# KiCad board Rogelio Pineda part 5.x3-AMLDC-2044B.kicad_pcb (continued)
## Routing (per net, layer and track width the routed paths; a pad name or vN(x,y) marks a point on that pad's centre or on a via; arc(x,y) is an arc through that point) (continued)
U4p11: length 51.8
  Top w0.15: UU4.11 268.89,95.97 268.5,94.93 268.18,93.83 268.13,93.35 268.08,91.92 268.19,85.59 268.25,84.45 268.22,83.35 268.27,82.45 268.28,81.59 268.35,80.34 268.62,77.54 268.7,77.25 268.96,75.43 269.1,74.84 269.2,73.97 269.2,73.8 ; 269.2,73.8 UV4.11 ; 269.2,73.8 269.2,72.78 268.82,71.72 268.14,70.15 268.06,69.55 267.99,69.31 268.09,65.24 268.04,62.17 268.04,60.48 268.01,59.06 268.07,58.43 268.15,57.71 267.97,54.99 267.91,53.37 267.74,52.03 267.63,51.39 267.27,49.87 267.08,47.47 UW4.3
U4p13: length 25.9
  Top w0.15: 264.25,97.04 264.12,95.96 264.03,95.45 263.84,95.11 263.5,94.28 263.13,93.11 263.07,88.58 263.06,86.88 263.1,86.31 263.09,84.93 263.24,82.56 263.29,81.58 263.32,81.55 263.28,80.61 263.55,78.64 263.87,76.55 263.95,76.1 264.08,74.82 264.18,74.36 264.26,73.8 ; 264.26,73.8 264.28,73.66 264.12,72.78 ; 264.26,73.8 264.26,72.67 UV4.13
U5p2: length 17
  Top w0.2: UU5.2 300.25,88.08 299.84,87.36 299.37,85.74 299.23,84.73 299.36,82.82 299.37,81.63 300.11,77.18 300.37,75.73 300.7,74.16 300.7,73.55 UV5.15
U5p3: length 23
  Top w0.2: UU5.3 302.96,88 302.56,87.28 302.04,86.32 301.77,85.87 301.5,85.22 301.3,84.7 301.23,83.96 301.53,82.57 302.11,81.69 302.1,81.6 302.46,81.18 302.94,80.85 303.52,80.23 304.74,79.34 305.83,78.75 306.54,78.27 306.59,78.28 307.2,77.94 307.68,77.63 308.21,77.36 308.65,77.07 309.64,76.24 310.27,75.65 312.02,74.22 312.16,74.05 313.01,73.52 313.01,72.79 UV5.10
W0p2: length 4.6
  Top w0.15: 112.42,43.42 112.4,43.43 112.4,43.5 v1(112.39,43.52) 112.4,43.53 112.4,46.25 112.42,46.87 UW0.2
W1p13: length 15.9
  Top w0.15: 149.45,44.45 v1(149.41,44.51) 153.17,44.67 154.31,44.85 154.39,44.85 154.91,45.32 155.51,46.03 155.63,46.45 155.79,47.76 155.7,50.69 155.75,55.25
W2p9: length 16.5
  Top w0.15: UW2.3 194.03,48.64 194.51,49.33 195.1,49.8 195.69,50.1 198.84,50.67 199.35,50.65 200.27,50.78 200.93,50.88 202.24,50.98 203.72,51.31 204.25,51.61 205.06,52.15 205.45,52.68 206.06,53.69 206.27,54.09 206.36,55.15 UW2.9
W2p10: length 16.4
  Top w0.15: UW2.2 191.42,48.66 192.12,49.85 192.4,50.22 192.97,50.72 194.35,51.19 195.1,51.48 199.1,51.98 200.02,52.2 201.87,52.67 203.51,53.96 203.58,54.91 UW2.10
W4p13: length 7.6
  Top w0.15: UW4.13 UW4.4
WALLOUT: length 237.9
  Top w0.15: UF2.5 198.74,323.19 199.05,322.88 199.73,321.97 200.41,320.99 202.54,318.05 202.54,318 v1(202.57,317.97) 202.54,317.95 202.54,317.84 ; 92.72,308.57 v1(92.69,308.57) 92.72,308.32 91.95,308.15 90.85,307.12 89.72,305.92 89.45,305.4 88.67,304.33 87.13,302.31 86.36,301.37 85.61,300.27 85.08,299.39 84.66,298.71 83.91,297.5 82.95,295.01 82.42,293.94 82.11,293.17 81.53,291.93 80.69,290.78 80.04,289.77 J1.65
  Bottom w0.15: v1(202.57,317.97) 227.51,317.88 249.88,317.77 259.6,317.45 270.36,317.2 281.48,317.27 284.93,317.82 289.02,318.77 290.24,319.06 290.99,319.31 292.02,319.57 292.82,319.77 ; UF2.5 198.64,322.64 196.73,321.72 194.16,321.32 187.1,320.93 179.1,320.58 174.48,320.53 162.54,320.29 158.02,320.57 155.07,320.59 153.15,320.2 151.56,320.12 147.88,320.41 146.54,320.84 144.8,321.23 143.63,321.67 141.82,322.11 140.65,321.94 139.51,321.51 136.62,320.17 134.19,319.23 132.55,319 131.32,318.82 128.88,318.54 128.09,318.41 126.34,318.28 124.71,318.25 111.24,317.93 110.09,317.84 107.25,317.78 104.55,317.42 101.01,316.49 99.11,315.46 98.5,314.76 96.37,311.92 95.59,310.86 95.2,310.25 94.42,309.41 93.98,308.88 93.33,308.57 v1(92.69,308.57)
~{DATA1}: length 330.2
  Top w0.15: 90.69,98.76 90.3,98.39 89.76,97.96 88.52,97.41 85.98,97.26 84.25,97.81 83.05,98.25 80.72,99.41 79.71,100.42 J2.65 ; 86.91,126.61 v1(86.88,126.68) 87.07,126.61 88.41,125.26 88.7,124.85 88.88,124.55 89.89,123.57 90.88,122.04 91.41,119.95 91.34,117.79 91.33,116.71 91.3,116.24 91.12,114.98 91.04,113.84 90.83,112.12 90.81,111.28 90.91,109.7 90.96,107.87 91.06,106.94 91.11,106.08 91.33,104.69 91.69,102.59 91.73,100.07 90.75,98.77 ; UR3.6 241.68,144.52 241.27,145.67 241.15,146.03 240.51,149.19 240.4,150.24 240.28,151.58 240.15,155.47 240.1,156.83 240.37,158.94 240.75,160.46 UP3.6 241.62,163.09 241.07,164.08 240.54,165.87 240.28,166.9 240.11,169.46 240.19,169.88 240.25,179.62 240.29,181.34 240.21,183.72 239.92,184.56 239.75,185.52 239.45,186.31 UN3.5 239.36,189.14 239.61,189.93 239.91,190.79 240.27,191.71 240.34,191.95 240.25,193 240.21,194.99 240.28,196.89 240.28,196.53 240.26,200.96 240.89,202.81 UM3.6 241.52,205.15 240.88,205.59 240.37,207.35 240.34,207.38 240.27,210.1 240.18,211.15 240.28,212.81 240.22,214.39 240.21,217.42 240.97,219.39 UL3.6
  Bottom w0.15: UN3.5 238.68,189.23 236.92,190.41 232.98,190.55 231.67,190.5 230.45,190.38 226.81,189.86 224.96,189.15 221.04,186.95 219.38,185.97 217.87,185.13 213.4,182.53 211.49,182.12 210.55,182.06 206.4,181.86 202.19,181.8 189.05,181.5 187.18,181.52 182.51,181.06 179.17,180.55 172.87,179.66 167.85,178.98 164.8,178.95 164.01,178.9 161.71,178.84 158.36,178.92 151.87,179.63 143.78,180.03 134.26,180.68 126.55,181.09 124.84,181.21 114.29,181.18 113.36,181.03 112.06,180.89 108.76,180.68 107.52,180.59 105.96,180.45 103.73,180.27 102.26,180.12 97.82,179.79 94.3,179.56 92.16,179.29 91.25,178.83 90.47,178.23 90.03,177.82 89.48,177.11 89.1,176.45 88.78,175.73 88.6,175.17 88.5,173.33 88.54,172.36 88.65,158.82 88.69,145.82 88.91,141.34 88.92,138.78 88.67,131.72 87.47,126.68 v1(86.88,126.68)
~{DATA3}: length 333.4
  Top w0.15: UL3.3 233.97,220.85 233.54,219.69 233.2,218.98 232.82,217.59 232.75,216.83 232.76,213.63 ; 100.09,185.29 v1(100.02,185.29) 99.65,184.79 99.51,184.62 99.24,184.31 99.1,183.9 99.24,182.48 99.34,182.16 99.5,181.39 99.74,180.12 99.78,179.8 99.91,179.02 100.11,177.96 100.16,177.24 100.16,174.87 100.18,174.41 100.13,173.67 99.95,171.87 99.87,171.24 99.65,169.96 99.6,169.76 99.39,169.11 99.25,167.71 99.19,167.48 99.04,166.86 98.88,163.52 98.93,162.76 99.16,160.87 99.17,160.04 99.29,159.09 99.51,154.47 99.46,153.71 99.47,153.11 99.65,144.56 99.63,144.35 99.54,140.29 99.59,134.8 99.55,133.73 99.49,130.14 99.45,129.76 99.51,128 99.11,125.87 98.96,124.68 98.58,122.5 98.48,120.36 98.48,120.06 98.4,119.46 98.41,119 98.5,117.11 98.71,116.19 99.16,114.8 99.49,113.65 100.07,111.96 100.52,110.27 100.91,108.98 101.22,107.83 101.39,105.54 101.33,104.18 101.01,101.24 100.78,100.14 100.63,99.1 100.4,98.1 100.28,97.17 100.27,95.98 100.29,93.38 100.31,92.39 100.04,91.1 99.07,89.46 97.13,88.9 95.32,88.57 91.76,88.15 89.33,87.96 83.83,87.78 81.4,87.68 J2.73 ; UR3.3 233.67,146.38 233.55,146.63 233.05,148.39 232.86,149.29 232.79,150.39 232.76,151.76 232.82,154.24 232.79,155.35 232.99,159.1 233.9,161.42 UP3.3 233.49,163.89 232.75,165.48 232.64,167.88 232.73,168.88 232.74,169.93 232.73,170.35 232.73,176.58 232.7,176.61 232.77,187.23 232.86,189.67 232.93,191.14 232.98,192.26 232.19,194.78 UN3.13 231.53,195.4 231.82,197.22 232.05,198.01 232.82,200.04 233.21,201.07 233.94,203.4 233.9,203.44 UM3.3 233.77,205.61 233.43,205.94 233.04,207.02 232.76,208.37 232.76,213.78
  Bottom w0.15: UN3.13 231.4,194.66 230.49,193.71 228.29,193.38 226.71,193.32 224.3,192.86 221.72,191.87 219.42,190.45 214.88,187.12 213.46,186.39 209.89,185.37 204.5,185.27 202.87,185.26 201.78,185.26 193.86,185.26 193.81,185.21 185.11,185.21 182.56,184.97 178.48,184.5 172.17,183.27 168.32,182.69 165.82,182.45 163.99,182.31 155.59,182.78 153.99,182.93 151.21,183.25 149.64,183.44 145.23,183.8 139.97,184.27 136.03,184.62 134.34,184.75 129.3,185.01 128.23,185.05 127.22,185.05 115.46,185.25 114.16,185.24 109.51,185.36 107.5,185.36 106.39,185.3 106.13,185.3 105.02,185.27 102.32,185.3 100.86,185.42 v1(100.02,185.29)
~{DATA4}: length 10
  Top w0.15: 85.87,105.83 85.89,105.85 v1(85.78,105.85) 85.78,105.74 85.63,105.59 84.63,105.44 83.51,105.36 83.16,105.31 82.62,105.38 81.27,105.52 79.92,106.77 J2.61
~{DATA5}: length 6.8
  Top w0.15: J2.57 80.66,113.28 81.65,113.28 82.29,112.96 v1(83.15,112.5) 83.16,112.46
~{DATA6}: length 49.9
  Top w0.15: 102.64,78.48 102.66,78.5 v1(102.57,78.5) 102.57,78.41 102.33,78.17 102.25,75.22 102.27,74.53 102.37,72.56 102.51,72.03 102.93,70.95 103.88,68.17 104.25,63.42 104.24,57.82 103.96,57.19 103.43,56.96 102.17,56.08 99.33,55.96 98.37,55.91 94.48,55.64 93.69,55.55 93.38,55.58 91.8,55.44 90.26,55.38 87.57,55.02 86.91,54.8 85.12,54.23 83.02,53.66 82.44,53.53 81.53,53.2 J2.95
~{DATA7}: length 6.3
  Top w0.15: 82.68,115.38 82.67,115.38 v1(82.65,115.4) 82.63,115.38 81.33,115.69 80.86,115.79 80.36,116.29 J2.55
~{DATA9}: length 13.8
  Top w0.15: 89.17,102.06 89.21,102.1 v1(89.06,102.1) 89.06,101.95 89.07,101.96 84.91,101.96 84.26,102.1 82.15,102.14 80.75,102.54 80.64,103.59 J2.63
~{DATA10}: length 10.7
  Top w0.15: J2.75 80.9,84.67 81.5,84.75 84.79,84.87 84.99,84.92 85.14,84.93 v1(87.2,84.91) 87.21,84.93 87.24,84.95
~{DATA12}: length 197.4
  Top w0.15: J2.59 80.12,109.94 81.4,108.83 83.19,108.63 84.06,108.76 84.6,109.06 85.22,109.51 85.67,109.99 85.93,110.37 86.44,111.77 86.82,115.62 86.77,116.13 86.7,116.77 86.62,117.93 86.32,118.93 86.08,119.24 85.81,119.88 85.27,120.51 85.18,120.63 v1(84.43,121.29) 84.43,121.38 84.5,121.31
  Top w0.25: UR0.8 124.63,156.72 124.38,159.8 124.38,166.53 UP0.8 124.6,178.38 124.28,181.5 124.31,192.63 UN0.9 123,197.09 124.6,198.47 125.85,199.45 127.96,201.05 129.28,202.94 129.34,205.97 129.3,209.17 129.61,210.47 129.93,211.19 UM0.8 130.06,214.74 129.38,217.05 129.44,223.85 129.41,226.03 UL0.8
  Bottom w0.15: v1(84.43,121.29) 85.44,121.29 86.62,122.07 87.76,123.58 88.07,124.11 88.64,125.33 89.61,129.06 89.91,130.16 90.89,132.31 92.28,134.46 93.05,135.63 94.26,137.21 94.92,138.16 95.97,139.38 99.01,142.95 100.25,144.42 101.61,146.05 103.31,149.87 103.95,151.31 105.46,154.18 106.3,155.05 106.91,155.44 107.59,155.81 109.05,156.12 111.77,156.18 119.07,155.89 121.2,155.87 123.37,155.44 124.67,154.54 125.48,153.5 UR0.8 ; UP1.11 155.39,168.9 154.78,168.5 154.08,168.05 148.26,168.15 147.17,168.25 144.83,168.52 142.85,169.43 140.7,170.15 140.12,170.33 138.96,170.32 135.89,170.4 134.25,170.37 132.65,170.34 128.48,170.3 126.39,170.33 UP0.8
~{DATA14}: length 161.4
  Top w0.25: UL0.11 122.33,226.39 122.01,224.6 121.78,222.58 121.88,216.23 122.35,214.94 122.65,213.55 122.84,213.36 UM0.11 122.18,210.61 121.91,210.04 121.68,209.66 121.72,203.05 121.71,203.04 121.11,201.12 118.05,196.79 UN0.11 117.35,193.48 116.83,191.72 116.68,189.05 116.79,179.98 116.85,179.92 116.95,174.37 118,170.86 UP0.11 116.88,167.7 116.9,157.87 117.03,157.32 117.2,155.72 117.9,153.96 UR0.11
  Bottom w0.15: UP0.11 118.4,169.26 119.27,168.53 120.9,168.04 123,167.76 126.45,167.11 ; UR0.11 117.51,153.95 115.85,154.95 115.08,155.04 113.41,155.06 110.83,155.06 108.93,154.57 107.5,153.98 105.55,150.97 103.99,147.89 102.89,146.13 101.87,144.39 98.75,140.74 95,136.24 93.62,134.37 91.61,131.46 90.78,129.17 90.22,126.6 89.76,125.38 89.45,124.26 87.93,121.85 86.35,120.18 84.75,119.48 83.75,119.03 82.7,118.41 80.48,116.29 J2.56 ; 126.45,167.11 126.71,167.11 126.74,167.14 ; 126.45,167.11 131.08,167.11 132.33,167.2 133.37,167.23 JP7.1
~{DCHA}: length 159.7
  Top w0.25: v2(86.53,381.6) 92.23,381.6 v2(92.28,381.55) 92.33,381.5
  Bottom w0.15: v2(92.28,381.55) 93.81,382.12 96.27,383.14 99.15,384.29 101.21,385.32 101.61,385.75 102.13,386.46 102.65,388.12 102.9,389.33 103.07,392.6 103.96,393.51 126.81,393.55 128.69,394.65 R38.1 130.9,396.05 134.04,396.43 136.87,396.91 138.03,397.28 139.3,397.54 142.35,398.19 144.65,398.14 145.86,397.34 147.15,396.25 UB1.1 ; J1.60 81.24,300.11 82.8,301.01 84.01,302.04 85.26,304.44 86.27,307.69 86.44,311.75 86.64,316.48 86.85,317.86 87.35,320.56 87.6,321.66 87.97,324.27 87.96,325.45 88.01,326.09 88.05,341.69 87.05,379.92 86.82,381.31 v2(86.53,381.6)
~{DCHM0}: length 210
  Top w0.15: v1(96.29,301.22) 96.98,299.59 97.55,298.53 98.26,295.47 98.33,294.88 98.53,293.13 98.62,292.19 98.43,290.72 98,288.51 97.8,287.72 97.63,285.49 97.64,284.41 97.61,280.23 97.6,278.45 97.63,276.79 97.63,276.33 97.55,272.46 97.26,270.43 97.01,268.76 96.81,268 96.73,265.78 96.78,264.57 97.26,263.47 97.78,262.08 98.4,260.73 99.18,258.88 99.36,258.06 99.9,256.63 100.26,255.08 100.55,254.08 100.72,252.25 100.8,251.17 100.71,248.57 100.68,247.08 100.38,244.27 100.12,242.41 99.8,238.91 99.67,237.94 99.02,233.34 98.43,230.08 98.03,227.32 97.71,225.95 97.54,224.4 96.7,220.64 96.39,217.41 96.33,216.23 96.52,215.58 96.72,213.79 97.21,210.58 97.37,208.85 97.49,208.2 97.66,206.9 97.8,203.76 97.95,202.71 97.85,199.69 97.75,198.64 97.47,196.86 96.9,195.31 96.52,194.32 94.94,190.64 94.27,189.14 94.04,188.32 93.78,187.71 93.11,185.9 93,183.49 93.1,183.15 93.27,182.64 93.47,180.41 93.44,179.67 93.33,179.22 93.03,178.49 92.38,177.87 91.27,177.18 89.41,176.87 88.81,176.74 87.62,176.63 82.11,176.84 81.83,176.87 81.29,176.84 J2.17
  Bottom w0.15: v1(96.29,301.22) 97.1,301.22 97.89,301.3 102.58,301.53 104.6,301.65 105.78,301.63 106.43,301.74 110.65,301.74 111.57,301.78 137.91,301.85 142.42,301.24 143.65,301.04 144.74,300.81 145.33,300.74 149.2,300.66 150.89,301.63 C62.1 153.17,303.66 154.37,304.32 155.04,304.44 158.83,304.63 159.81,304.91 160.63,306.16 UG1.6
~{DCHP IN}: length 136
  Bottom w0.15: J1.94 80.32,245.32 80.84,245.64 81.37,246.19 81.71,246.84 82.01,247.28 82.24,249.12 82.33,257.58 82.29,258.56 82.26,261.1 82.6,263.02 83.6,264.45 84.7,265.58 85.94,266.69 88.44,268.62 91.05,271.23 91.28,271.56 91.88,272.83 92.11,275.59 91.28,278.54 90.83,280.71 90.51,282.35 90.34,282.96 90.24,284.54 90.46,285.62 90.71,286.85 91.04,287.84 91.87,290.45 92.01,291.94 92.05,293.21 92.04,293.81 92.09,294.5 91.76,296.94 90.84,299.91 90.93,302.2 91.35,304.59 91.44,305.79 91.35,308.02 91.05,309.81 91.04,310.74 91.32,311.41 91.82,312.41 94.66,314.91 95.99,316.02 97.27,316.99 98.61,317.74 101.13,318.91 106.28,319.84 111,320.06 117.32,320.13 127.55,320.43 133.9,321 138.1,323.06 140.1,323.85 142.57,324.05 143.82,324.01 144.42,324 145.24,324 UF1.1
~{DCHP OUT}: length 156.7
  Top w0.15: J1.93 76.09,245.66 80.27,245.66 81.37,246.24 81.86,246.57 82.8,246.86 83.82,247.19 v1(83.82,247.24) 83.87,247.24 83.92,247.29
  Bottom w0.15: v1(83.82,247.24) 84.31,248.69 84.41,250.58 84.11,251.85 83.33,255.43 83.49,257.32 83.52,262.63 83.9,263.51 84.47,264.3 85.14,264.67 86.67,265.13 89.95,265.83 91.71,266.4 92.85,267.14 94.07,268.81 94.52,270.85 94.6,271.8 94.62,274.32 93.57,276.91 92.39,279.56 91.46,281.55 91.39,284.02 91.31,285.78 91.68,287 92,287.83 92.38,289.06 92.49,289.47 92.68,290.09 92.83,290.8 93.02,295.11 92.7,296.36 92.51,297.4 92.07,299.18 91.84,300.29 91.9,302.41 93.04,303.9 94.24,305.1 97.01,307.45 99.31,308.64 101.43,309.8 R74.1 106.68,311.29 108.49,311.42 109.25,311.41 111.05,311.51 111.67,311.45 115.44,311.31 116.46,311.26 118.68,311.23 125.82,311.24 128.48,311.5 133.42,312.32 135.31,312.63 139.02,312.99 141.73,313.05 158.27,313.27 160.34,313.28 161.58,313.52 162.95,314.18 UG1.8 164.35,315.12 164.72,315.26 165.21,315.47 165.57,315.63 166.19,315.85 171.21,316.11 R5.2
~{DCHR}: length 234.4
  Top w0.15: J2.35 76.63,148.28 84.61,148.16 88.84,148.45 89.86,148.65 93.41,148.87 94.81,149.22 95.98,149.6 96.49,150.49 96.55,150.71 96.73,151.61 96.67,153.37 96.56,153.94 96.55,156.38 96.35,157.69 96.23,161.14 96.04,161.83 95.8,166.24 95.93,167.1 96.22,169.15 96.49,170.27 96.63,171.23 97.2,174 97.2,177.56 96.62,179.82 96.11,182.33 95.85,183.26 95.74,184.1 96.22,186.59 96.86,187.76 97.29,188.96 97.95,190.31 98.59,191.72 99.55,193.78 100.06,194.94 100.32,195.73 100.68,197.31 100.88,199.06 100.63,204.98 100.48,206.4 99.97,210.19 99.72,212.31 99.5,215.31 99.35,216.74 99.36,217.27 99.37,217.74 99.5,219.3 99.72,219.89 100.1,222.57 100.43,224.08 100.76,226.27 101.08,227.54 101.4,229.7 101.65,230.95 102.18,234.98 102.41,236.66 102.74,239.12 102.92,241.1 103.38,244.27 103.36,245.66 103.56,246.55 103.62,247.41 103.79,255.15 103.69,255.25 103.69,257.65 103.69,258.11 103.59,259.75 103.6,260.27 103.43,261.11 103.18,261.84 102.83,262.84 102.36,263.97 101.68,265.1 101.56,265.27 101.12,266.27 100.83,266.73 99.88,268.98 99.66,271.64 99.6,271.7 99.48,275.25 99.46,276.73 99.42,281.72 99.44,282.89 99.42,285 99.32,285.7 99.52,287.39 99.94,289.83 100.06,290.59 100.34,292.26 100.21,294.53 99.99,295.39 99.83,296.87 99.56,298.69 99.46,299.95 99.21,300.91 98.75,302.14 v1(98.15,303.92)
  Bottom w0.15: v1(98.15,303.92) 98.53,303.54 108.49,303.3 109.72,303.37 113.81,303.3 122.01,303.39 125.29,303.42 128.51,303.93 129.6,304.09 134.7,304.81 137.57,304.93 148.77,304.92 149.65,304.91 151.74,304.96 152.73,305.17 153.25,305.88 153.34,306.47 UG1.3
~{DS0}: length 61.4
  Top w0.25: JP2.2 122.97,299.86 122.97,298.85 ; 122.99,299.02 122.97,298.85 ; 122.97,298.85 UH0.9 ; v1(82.97,281.96) 84.2,282.42 89.33,286.35 93.7,290.05 v1(94.75,290.9) 94.79,290.8
  Bottom w0.15: v1(94.75,290.9) 95.8,291.32 98.86,291.76 104.92,291.82 109.24,291.87 111.87,292.15 113.41,292.5 121.29,293.99 122.48,295.37 UH0.9
  Bottom w0.2: J1.72 80.43,280.82 80.92,281.06 81.19,281.15 81.79,281.19 82.1,281.28 ; J1.72 78.48,280.48 78.24,280.25 J1.72
  Bottom w0.25: 82.1,281.28 82.63,281.81
~{DS1}: length 65.9
  Top w0.25: 85.45,288.01 85.4,288.01 v1(85.4,288.06) 85.5,288.01 87.86,289.14 v1(89.77,290.16) 89.58,289.99
  Bottom w0.15: UF0.1 108.36,323.74 101.21,323.44 99.59,323.75 98.18,324.35 96.73,324.29 95.91,323.89 94.49,322.44 94.03,321.74 93.63,319.49 93.49,318.5 92.51,317.19 91.13,316.06 90.32,314.32 90.15,311.44 90.17,310.63 90.18,309.19 90.48,306.79 90.32,304.61 89.85,301.55 89.85,299.74 90.19,298.28 90.62,296.81 90.84,295.32 90.95,294.59 91.08,292.55 90.48,290.5 v1(89.77,290.16) ; v1(85.4,288.06) 84.8,287.63 83.46,287.44 82.22,287.29 80.71,287.2 80.2,287.07 79.57,286.97 J1.68
~{DS2}: length 70.7
  Top w0.25: v1(89.15,292.43) 88.52,291.69 86.32,290.59 v1(85.5,290.41)
  Bottom w0.15: v1(85.5,290.41) 84.42,290.29 83.42,290.31 80.97,290.24 J1.66 ; v1(89.15,292.43) 89.15,292.45 89.96,293.32 89.97,294.79 89.91,295.56 89.85,296.03 89.41,297.48 89.04,299.04 88.88,300.67 88.99,302.14 89.49,305.02 89.47,306.35 89.34,307.33 89.21,310.15 89.23,310.16 89.23,313.54 89.9,316.07 92.08,318.69 92.54,319.64 92.86,320.91 93.13,321.69 93.62,323.19 94.97,324.81 95.45,325.04 95.93,325.3 96.65,325.36 98.17,325.42 99.99,324.75 104.12,324.85 R74.2 107.79,325.85 108.63,326.04 110.67,326.33 112.25,326.33 114.08,326.2 115.15,325.09 UF0.3
~{DS3}: length 71.9
  Top w0.15: v1(82.15,322.07) 83.46,323.38 84.25,324.69 85.29,326.83 86.19,328.56 86.91,329.55 87.89,330.94 88.79,331.81 88.82,331.81 89.66,332.91 v1(91.4,334.35)
  Top w0.25: UG0.1 110.49,307.94 111.11,309.79 111.35,310.47 111.44,327.08 111.48,328.22 111.45,328.86 111.46,332.87 111.49,333.31 111.44,333.7 111.59,334.96 111.98,335.28 v1(111.98,335.37) 112.07,335.37 111.98,335.28
  Bottom w0.15: J1.46 82.1,322.01 v1(82.15,322.07) ; v1(111.98,335.37) 111.26,335.14 110.94,335.11 109.16,335.11 105.07,335.12 105.04,335.15 103.37,335.23 101.66,335.38 100.64,335.73 98.19,335.79 97.36,335.55 96.38,334.94 94.68,334.04 91.66,334.09 v1(91.4,334.35)
~{DS4}: length 41.6
  Top w0.25: 95.06,296.18 94.9,296.18 v1(94.88,296.16) 92.42,296.49 87.54,296.06 85.89,295.55 v1(86.01,295.55) 86.01,295.67 85.99,295.65 ; UH0.13 112.53,299.8 JP6.2
  Bottom w0.15: v1(94.88,296.16) 95.83,295.92 96.63,295.86 104,295.55 111.39,295.54 112.26,296.01 UH0.13 ; v1(86.01,295.55) 84.96,295.66 84.53,295.68 84.04,295.75 83.22,295.86 82.52,296.04 81.26,296.18 80.58,296.12 J1.62
~{DS5}: length 47
  Top w0.25: v1(85.55,293.04) 88.4,294.57 90.74,294.24 94.88,293.67 v1(94.88,293.61) 94.94,293.61 94.97,293.58 ; JP4.2 117.83,299.95 117.83,299 UH0.11
  Bottom w0.15: UH0.11 117.58,296 116.92,295.42 114.06,294.13 102.25,294.08 99.12,294 v1(94.88,293.61) ; J1.64 79.78,293.12 80.78,293.1 82.04,293.12 83.72,293.11 84.62,293.09 v1(85.55,293.04)
~{INTP IN}: length 78.9
  Bottom w0.15: J1.96 80.32,242.23 81.97,243.04 82.77,243.72 83.78,244.81 85.19,246.39 86.17,247.73 86.59,249.39 86.23,251.6 85.64,253.03 85.04,255.04 84.81,255.65 84.54,257.01 84.39,258.3 84.43,262.67 85.47,263.67 85.94,263.73 87.52,264.25 88.86,264.55 90.96,264.98 92.22,265.58 93.11,265.98 93.71,266.48 94.04,267.05 95.23,268.82 95.67,270.75 95.83,272.12 95.9,274.37 95.65,275.52 95.28,276.27 94.85,276.93 94.28,278.03 93.73,278.97 92.63,281.12 92.37,282.42 92.31,283.85 92.31,285.54 92.53,286.64 92.94,287.78 93.74,288.49 95.05,289.23 96.23,289.94 98.51,290.3 104.85,289.9 109.15,289.87 UH0.1
~{INTP OUT}: length 73
  Top w0.15: J1.95 79.98,242.47 80.42,242.54 82.39,242.65 ; 85.07,242.73 v1(84.97,242.83) 84.27,242.79 83.71,242.72 82.3,242.65
  Top w0.25: R55.1 105.58,269 108.53,263.25 108.86,246.13 109.13,245.85 ; 109.13,245.85 v2(109.13,245.8) 109.18,245.8 109.13,245.85 ; v3(115.15,268.24) 115.23,268.24
  Bottom w0.15: v2(109.13,245.8) 108.91,246.03 108.22,245.84 107.14,245.75 106.24,245.68 104.8,245.67 95.54,245.05 93.77,244.64 90.65,244.14 88.44,243.49 86.02,242.92 84.97,242.89 v1(84.97,242.83) ; R55.1 105.57,270.68 106.7,269.16 107.93,268.64 111.18,268.14 111.94,268.13 113.3,268.1 v3(115.15,268.24)
  Bottom w0.2: v3(115.15,268.24) 115.26,269.46 UJ0.3
~{INTR}: length 152
  Top w0.15: v1(98.99,264.34) 99.74,263.18 100.7,261.85 101.43,259.93 101.72,258.01 101.74,255.52 101.88,253.62 101.74,251.09 101.65,249.53 101.45,245.46 101.35,244.27 101.23,242.82 100.9,240.45 100.5,236.88 100.29,236 100.17,234.8 99.64,231.14 99.15,228.12 98.92,226.96 98.58,225.02 98.29,224.18 98.07,222.22 97.88,221.24 97.43,218.63 97.34,217.66 97.64,214.85 98,211.69 98.31,207.89 98.84,203.24 99.02,198.51 97.9,195.21 97.39,193.8 96.76,192.36 96.21,191.09 95.64,189.95 95.21,188.66 94.64,187.35 94.04,185.37 93.99,184.6 93.98,184.15 94.02,182.6 94.31,181.68 94.79,178.85 95,178.02 95.12,176.31 ; J2.29 76.97,157.92 91.67,157.95 93.32,158.28 93.83,158.74 94.09,159.27 94.24,160.62 94.01,162.1 93.95,164.59 93.81,165.46 94.15,169.2 94.79,171.92 ; 94.74,171.78 95.25,174.41 95.11,176.51
  Bottom w0.15: 122.64,270.61 122.64,269.13 122.62,268.81 121.19,267.8 119.61,267.14 116.42,266.33 115.23,266.23 111.14,265.79 106.63,265.38 103.27,264.92 101.33,264.71 100.38,264.64 v1(98.99,264.34)
~{MSKO}: length 119.6
  Top w0.15: 93.92,325.27 93.92,328.71 94.15,330.28 94.76,332.34 95.34,333.77 95.6,335.06 95.81,335.57 96.07,336.67 96.2,337.13 96.64,339.22 96.71,339.55 96.81,343.14 96.58,345.37 96.29,346.15 95.78,347.5 94.97,349.3 93.94,350.91 92.81,352.09 ; v1(82.11,335.06) 82.37,337.36 82.52,338.01 82.93,340.38 83.41,341.72 84.25,344.3 85.41,346.72 86.96,350.78 87.87,351.98 ; 87.8,351.88 89.17,353.27 89.62,353.39 90.29,353.45 91.65,353.12 92.85,352.06 ; v1(96,288.04) 96.23,288.04 96.59,288.85 97.4,290.51 97.59,291.64 97.59,293.18 97.47,294.91 97.02,296.88 96.81,298 94.75,300.66 94.66,300.76 94.66,303.55 94.61,303.59 94.61,305.22 94.66,305.27 94.66,307.31 94.41,308.64 94.19,310.51 93.81,312.08 93.68,312.76 93.73,312.8 93.73,314.76 93.77,314.97 93.88,321.42 93.79,322.82 93.92,325.59
  Bottom w0.15: v1(82.11,335.06) 81.71,334.66 ; UH0.3 115.07,288.35 114.39,287.67 113.12,287.28 108.17,287.16 101.18,286.9 100.67,286.78 99.28,286.9 97.5,287.03 96.61,287.54 v1(96,288.04)
  Bottom w0.25: v1(82.11,335.06) 81.27,334.22 J1.38
~{RQENB}: length 232.5
  Top w0.15: 101.35,284.86 101.48,288.22 102.01,289.94 102.13,292.12 102.14,293.69 101.89,295.29 101.58,296.24 101.56,299.76 101.49,300.48 101.48,302.04 100.33,306.13 99.77,307.2 97.57,310.2 96.93,311.79 96.57,313.07 96.5,313.7 96.48,315.13 96.52,316.3 96.94,322.16 v1(97.08,322.85) ; 101.36,284.96 101.56,271.51 101.58,271.3 101.84,269.41 102.61,267.5 104.55,264.01 105.67,261.67 105.56,248 105.55,247.92 105.43,244.6 105.37,243.82 105.11,241.12 104.98,240.09 104.48,236.15 104.14,233.42 103.84,231.44 103.62,230.26 102.94,226.22 102.64,224.05 101.75,219.96 101.36,218.45 101.35,217.64 101.39,214.96 101.71,212.95 101.76,212.38 101.82,211.56 102.25,205.65 102.48,203.93 102.74,198.46 102.54,197.06 102.21,194.96 101.71,193.56 100.57,191.22 99.94,189.91 99.35,188.88 98.81,187.57 98.17,186.38 97.74,185.23 97.89,182.56 98.29,181.5 98.87,177.79 99.17,176.67 99.15,175.16 98.89,172.39 98.72,170.93 98.12,168.09 97.78,167.1 97.97,163.29 98.27,159.7 98.43,158.97 98.64,150.01 98.64,149.26 98.74,144.81 98.76,144.85 98.77,142.9 97.78,141.45 96.7,140.68 94.12,139.95 92.49,139.91 90.77,139.71 89.5,139.69 89.12,139.63 86.04,139.6 80.75,138.92 77.49,139.39 J2.41
  Bottom w0.15: v1(97.08,322.85) 97.88,322.64 100.83,322.41 103.21,322.19 104.9,322.05 109.07,322.12 111.93,322.25 117.84,322.22 117.85,322.21 118.53,322.24 119.73,322.53 119.99,322.62 120.19,322.71 120.2,323.2 UF0.5
~{SELB}: length 66.5
  Top w0.15: v1(89.94,274.47) 89.3,274.84 88.9,275.32 88.43,275.85 87.54,277.32 87.65,278.98 87.8,279.49 88.01,280.08 88.36,280.58 88.51,280.84 89.12,281.34 89.4,281.51 92.67,283.24 94.48,284.08 v1(95.94,284.8)
  Bottom w0.15: UJ0.8 125.12,279.8 125.12,279.86 124.09,280.74 121.95,280.9 119.73,280.91 116.77,281.88 115.46,282.02 114.71,282.03 113.18,282 111.17,281.96 110.17,281.98 108.81,282.04 103.47,282.01 101.43,282.47 99.42,283.19 96.98,284.42 v1(95.94,284.8) ; J1.82 79.44,264.37 82.35,266.61 83.28,267.61 84.3,269.1 84.75,269.71 85.73,271.31 86.47,272.28 86.78,272.77 87.86,273.85 88.73,274.34 88.84,274.38 v1(89.94,274.47)
~{SELD}: length 50
  Top w0.15: v1(96.24,282.1) 96.03,282.1 95.03,281.78 94.4,281.55 93.49,281.32 93.18,281.15 91.86,280.56 91.25,280.01 90.58,279.34 89.69,278.3 v1(89.69,278.22)
  Bottom w0.15: v1(89.69,278.22) 89.46,277.7 89.04,276.98 88.83,276.58 88.03,275.25 87.78,274.93 86.93,274.28 85.61,272.99 83.82,271.51 83.58,271.31 83.03,270.87 81.85,269.68 81.24,269.29 80.46,268.21 J1.80 ; 117.56,278.23 117.72,279.62 117.28,280.34 116.86,280.66 116.61,280.84 116.44,280.92 101.74,280.98 100.1,281.34 98.76,281.51 97.53,281.78 v1(96.24,282.1)
unconnected-(J2-Pin_34-Pad34): length 277.9
  Bottom w0.15: J2.34 80.72,151.69 82.39,151.85 83.94,152.74 84.62,153.51 85.06,154.84 85.34,156.91 85.3,158.63 85.32,164.75 85.29,167.36 85.23,168.51 85.21,170.93 85.12,173.13 85.45,180.93 85.92,183.56 86.32,186.25 86.96,188.4 88,191.87 88.99,194.14 89.62,195.21 90.49,196.69 91.48,198.16 92.48,200.14 93.3,202.44 93.83,203.94 94.75,206.11 95.94,208.85 96.82,211 99.78,216.29 100.67,217.88 102.41,220.81 103.41,222.56 106.17,226.31 107.02,227.36 109.9,229.76 112.89,230.84 114.9,231.18 120.97,231.4 125.96,231.84 145.01,232.4 162.85,232.52 171.41,232.52 173.72,232.57 193.77,232.75 196.93,232.98 200.92,233.28 203.16,233.56 216.36,233.72 218.9,233.73 224.69,233.79 228.47,233.93 232.98,234.71 236.05,235.28 240.97,236.29 243.46,236.84 247.04,237.68 248.68,238.4 250.37,239.05 252.22,239.94 255.57,241.06 257.69,241.88 259.89,242.37 260.7,242.61 268.7,242.84 275.54,242.14 279.48,241.19 282.32,239.87 285.2,238.39 288.92,236.13 290.28,235.32 291.42,234.91 292.41,234.51 292.82,234.5
unconnected-(J2-Pin_40-Pad40): length 52.6
  Top w0.15: v1(99.05,101.4) 98.24,101.35 98.05,101.32 97.01,102.12 96.38,103.22 95.8,104.62 95.68,105.78 95.43,106.84 95.35,108.2 95.24,108.31 95.27,109.66 95.27,110.72 95.22,112.17 95.22,113.06 95.37,114.12 95.52,116.71 95.61,118.38 95.69,120.75 95.7,121.01 95.6,121.67 95.28,124.02 94.5,125.42 94.09,126.33 93.13,127.7 92.18,128.75 90.79,130.21 89.59,131.01 88.73,131.71 87.69,132.29 86.92,132.78 86.04,133.3 85.67,133.44 85.16,133.98
  Bottom w0.15: 85.08,134.1 v1(85.1,134.05) 85.16,135.06 84.45,137.21 83.79,138.51 83.26,139.61 82.69,140.51 80.81,141.65 J2.40
unconnected-(J2-Pin_48-Pad48): length 52.8
  Top w0.15: 82.92,135.86 83.07,136.01 86.09,135.75 86.47,135.66 87.74,134.93 88.68,134.31 89.77,133.44 91.45,131.76 92.96,129.88 93.78,128.71 94.61,127.21 95.55,125.41 96.48,123.55 96.55,122.25 96.47,119.61 96.25,111.04 96.25,108.62 96.41,106.92 ; v1(99.01,103.82) 97.45,104.87 96.62,106.37 96.41,107.07 96.41,106.8
  Bottom w0.15: 83.06,135.77 v1(83.02,135.77) 83.26,135.08 83.23,133.09 83.14,132.02 82.86,130.68 81.69,129.54 J2.48
unconnected-(J2-Pin_52-Pad52): length 60.4
  Top w0.15: v1(97.38,90.82) 97.03,92.28 96.76,92.91 96.42,94.72 95.61,97.55 95.57,98.74 95.5,99.92 95.39,100.34 95.29,101.39 94.93,103.79 94.81,105.16 94.61,106.93 ; 94.61,106.93 94.48,107.6 94.38,108.68 94.29,112.03 94.45,113.87 94.52,115.53 94.61,116.45 94.77,118.38 94.81,118.96 94.82,119.76 94.87,120.45 94.76,121.67 94.67,122.44 94.41,123.29 93.64,125.1 93.45,125.43 93.13,125.91 92.77,126.38 92.01,127.47 91.22,128.31 90.84,128.84 89.93,129.74 89.18,130.29 87.99,130.66 86.83,130.95 86.18,131.01 v1(85.31,131.2) ; 94.61,106.93 94.63,106.92
  Bottom w0.15: J2.52 81.97,123.49 83.25,124.26 84.47,125.9 85.12,127.59 85.7,129.56 85.72,130.4 85.68,130.82 v1(85.31,131.2)
unconnected-(J2-Pin_54-Pad54): length 57.4
  Top w0.15: v1(83.02,122.06) 82.72,122.93 83.05,123.71 83.23,124.31 83.48,124.67 84.28,126.15 84.52,126.52 84.92,127.12 85.49,127.63 86.23,128.05 86.9,128.17 87.42,128.16 88.32,127.83 89.82,126.33 90.01,126.07 90.38,125.43 90.77,124.79 91.58,123.04 91.98,121.94 92.11,121.55 92.19,121.07 92.29,120.25 92.29,117.03 92.21,116.38 92.11,115.37 92.01,114.84 92.01,114.34 91.86,112.51 91.84,112.25 91.84,112.07 91.74,111.16 91.71,110.95 91.75,109.97 91.81,109.33 92.02,107.54 92.15,106.67 92.24,105.64 92.31,105.3 92.34,105.21 92.48,104 92.63,102.47 92.63,101.58 92.69,101.47 92.68,101.37 92.47,99.47 92.18,98.76 91.91,98.09 91.63,97.75 91.35,97.4 90.24,96.29 89.92,96.09 89.19,95.6 88.31,94.97 87.22,94.22 87.08,94.01 86.45,93.64 86.1,93.31 v1(84.75,92.66)
  Bottom w0.15: 83.07,122.01 v1(83.02,122.06) 83.07,121.82 82.24,120.99 82.13,120.82 81.55,120.16 80.92,119.81 80.79,119.54 J2.54
unconnected-(UP4-F0-Pad3): length 27.9
  Bottom w0.15: 292.46,157 291.64,156.65 280.31,157.06 279.46,157.06 277.64,157.26 275.34,157.59 272.33,158.14 269.71,158.89 267.8,161.09 UP4.3
unconnected-(UP4-F1-Pad4): length 23.8
  Bottom w0.15: 291.55,158.26 288.45,158.26 287.34,158.19 273.17,159.24 270.88,160.15 269.72,161.16 UP4.4
unconnected-(UP4-F2-Pad12): length 23.1
  Bottom w0.15: UP4.12 271.63,170.89 273.04,172.4 274.06,173.13 274.85,173.41 280.51,173.63 281.41,173.53 283.69,173.97 285.06,174.16 286.49,174.42 292.57,174.62 292.63,174.56
unconnected-(UP4-F3-Pad13): length 26.1
  Bottom w0.15: UP4.13 268.8,170.67 269.69,171.6 270.74,172.97 272.25,174.38 273.66,174.7 275.33,174.7 282,174.8 286.85,175.53 287.35,175.61 288.51,175.65 292.32,175.65

## Text on the board
User.Comments: Rework Wire / Here | B C D E | T  U  V W | F G H J  K | P R S | L M N | F G H J K | L  M N | 0   1   2   3   4   5   6   7   8
